# Altium PCB Thunderscope_Rev5.PCBDOC (part 3 of 7)
Units mm, origin at the board's own origin, x right, y up, seen from the top; angles counter-clockwise.
Board outline 119 x 103.6 mm, 6 copper layers (Top Layer, Int1 (GND), Int2 (Sign), Int3 (Sign), Int4 (GND), Bottom Layer), stack 1.49 mm thick; 745 components, 417 nets, 2478 pads, 1216 vias.
Unrouted connection lines stored in the file: 495.
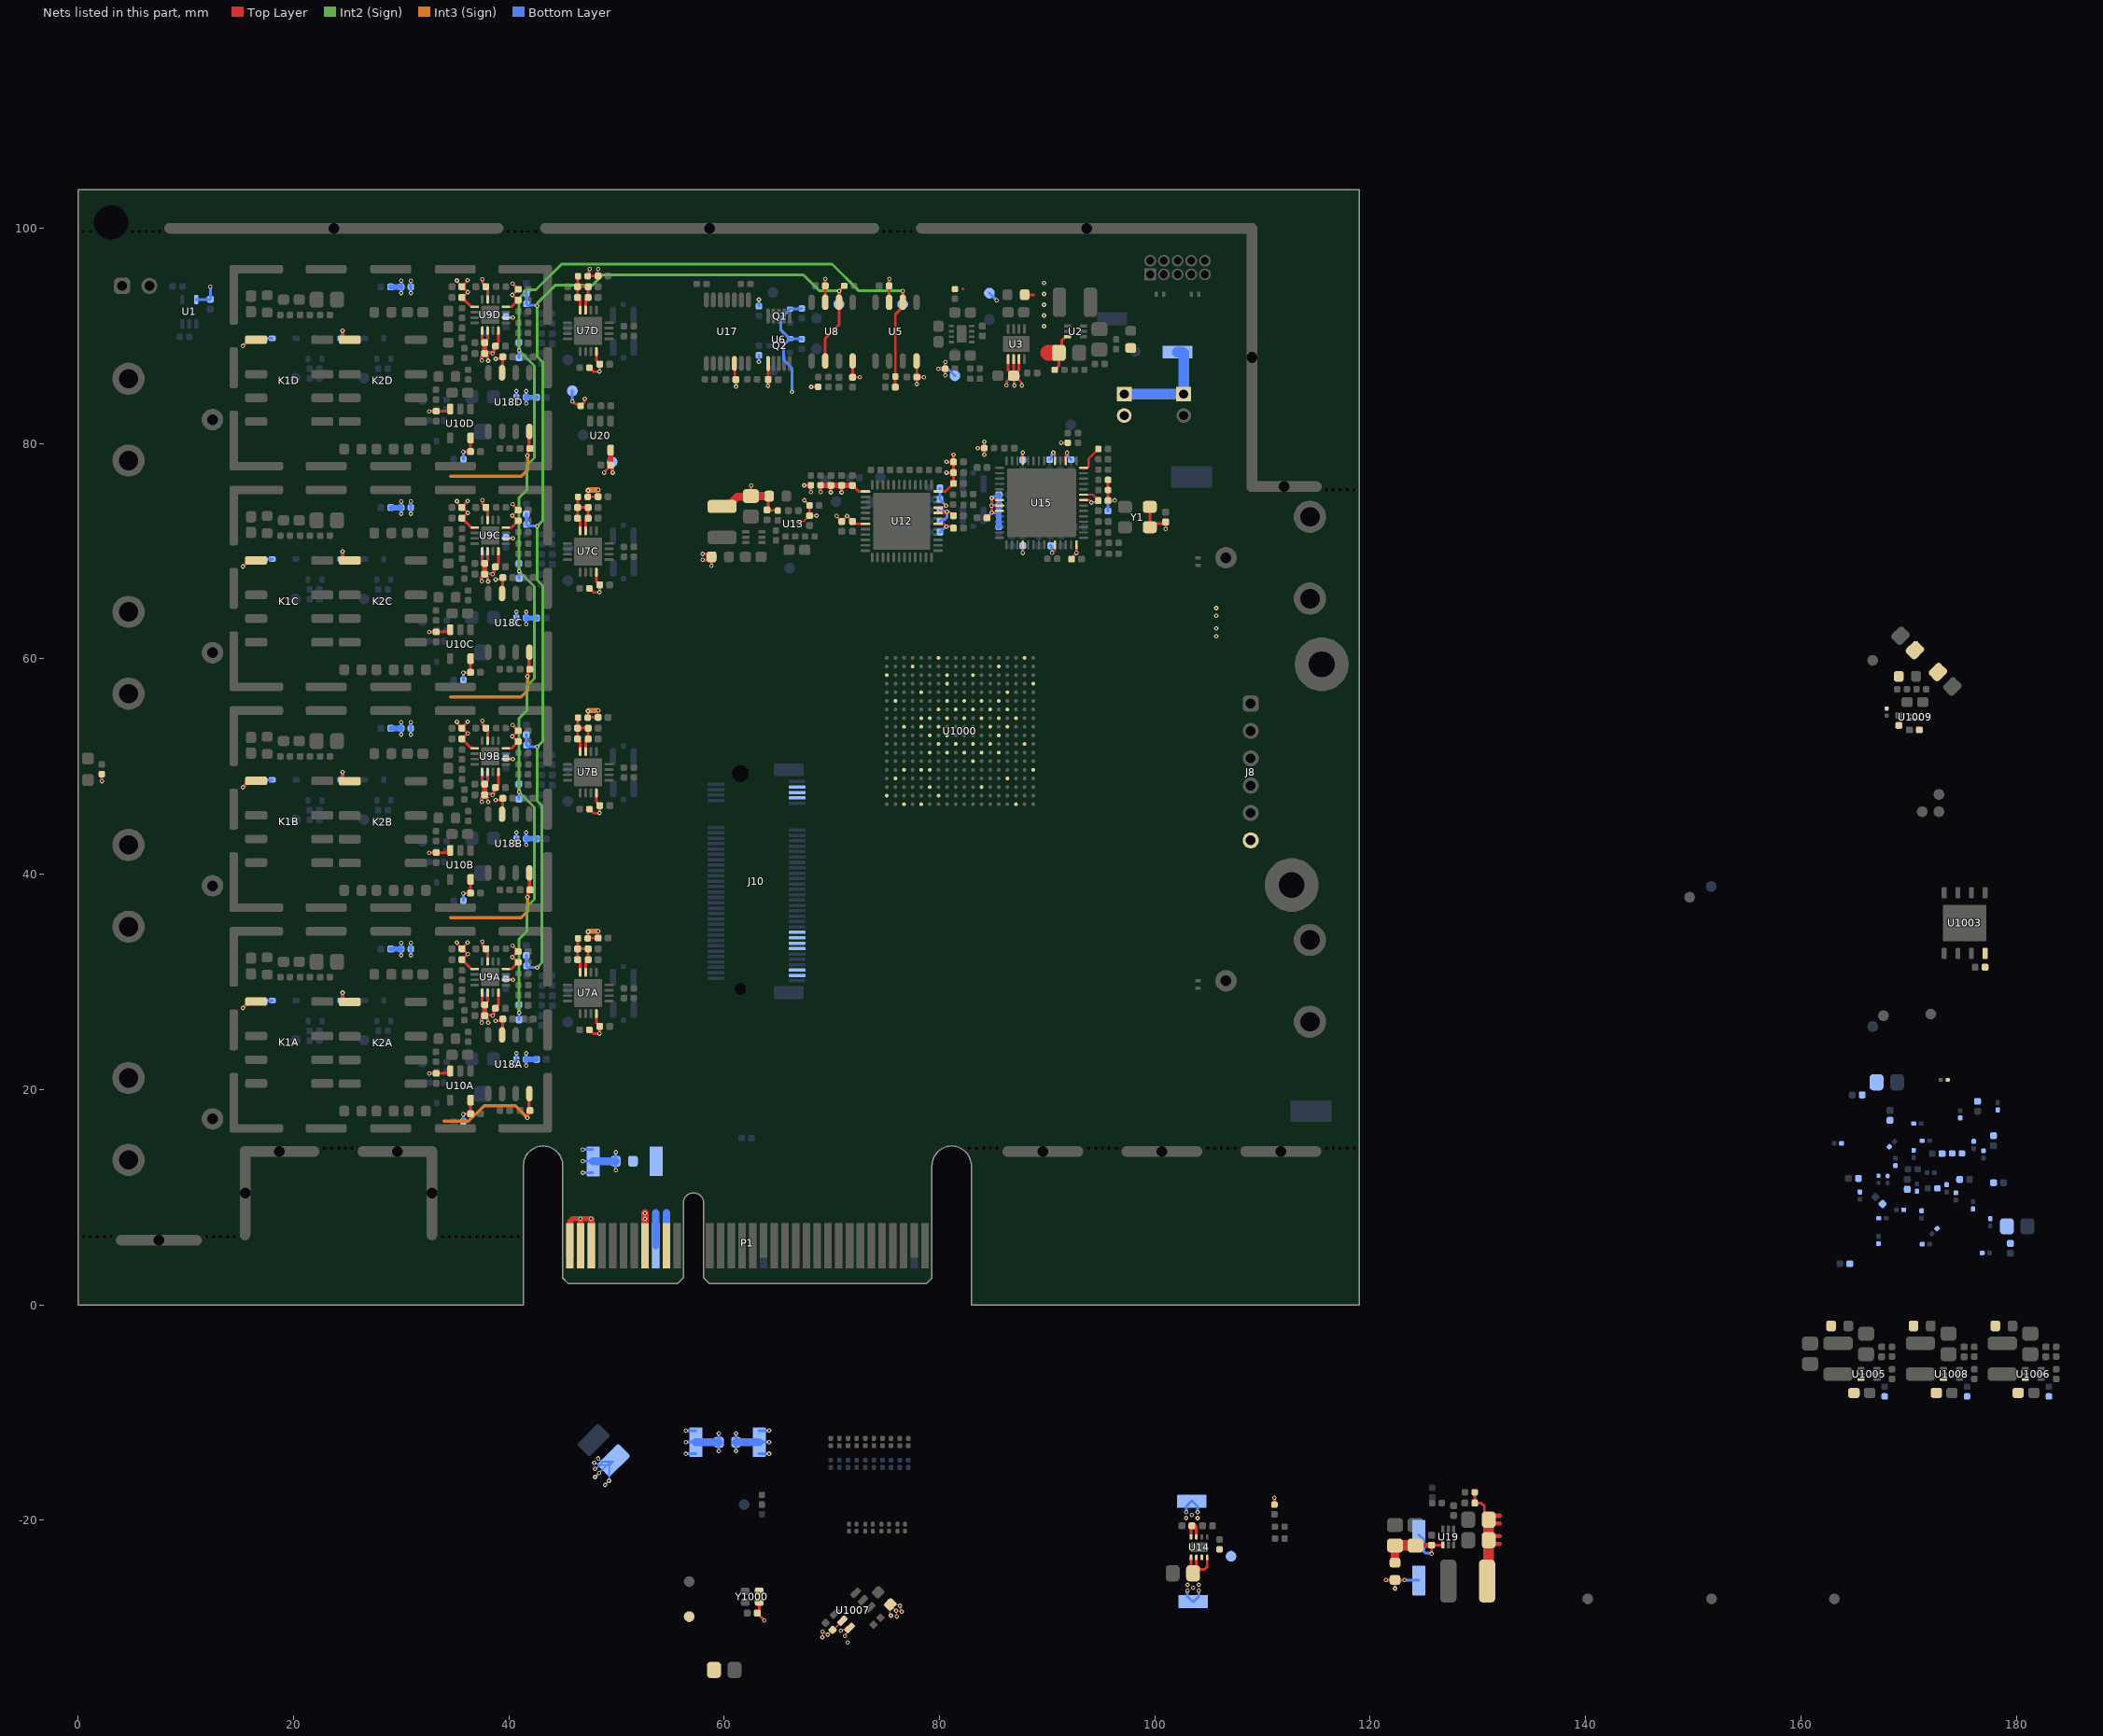
[diagram p7: the nets of this part, all layers, seen from the top]

## Part data (continued)
R12 R98A R98B R98C R98D R99A R99B R99C R99D R122A R122B R122C R122D: library part "RES 90.9K OHM 1% 1/16W 0402", Manufacturer=Yageo, Manufacturer Part Number=RC0402FR-0790K9L, Package=0402, Supplier Part Number 1=603-RC0402FR-0790K9L, Tolerance=1%, Supplier 1=Mouser
R13 R39 R55A R55B R55C R55D R61 R105 R1047 R1049 R1052 R1054 R1057 R1060 R1061: library part "RES 100K OHM 1% 1/10W 0402", House Part Number=R-100K-0402-1%-001, Manufacturer=Yageo, Manufacturer Part Number=RC0402FR-07100KL, Package=0402, Supplier Part Number 1=603-RC0402FR-07100KL, Tolerance=1%, Supplier 1=Mouser
R15 R17 R18 R19 R100A R100B R100C R100D: library part "RES 2K OHM 1% 1/16W 0402", Manufacturer=Yageo, Manufacturer Part Number=RC0402FR-072KL, Package=0402, Supplier Part Number 1=603-RC0402FR-072KL, Tolerance=1%, Supplier 1=Mouser
R26 R27 R28 R67 R92 R93 R94 R111 R118A R118B R118C R118D R119A R119B R119C R119D: library part "RES 1K OHM 1% 1/10W 0402", House Part Number=R-1K-0402-1%-001, Manufacturer=Yageo, Manufacturer Part Number=RC0402FR-071KL, Package=0402, Supplier Part Number 1=603-RC0402FR-071KL, Tolerance=1%, Supplier 1=Mouser
R29A R29B R29C R29D R53A R53B R53C R53D R54A R54B R54C R54D: library part "RES 30 OHM 1% 1/3W 0603", Manufacturer="KOA Speer", Manufacturer Part Number=SG73P1JTTD30R0F, Package=0603, Supplier Part Number 1=660-SG73P1JTTD30R0F, Tolerance=1%, Supplier 1=Mouser
R30A R30B R30C R30D R31A R31B R31C R31D R41A R41B R41C R41D R43A R43B R43C R43D: library part "RES 10 OHM 1% 1/3W 0603", Manufacturer="KOA Speer", Manufacturer Part Number=SG73P1JTTD10R0F, Package=0603, Supplier Part Number 1=660-SG73P1JTTD10R0F, Tolerance=1%, Supplier 1=Mouser
R35A R35B R35C R35D: library part "RES 20K OHM 1% 1/16W 0402", Manufacturer=Yageo, Manufacturer Part Number=RC0402FR-0720KL, Package=0402, Supplier Part Number 1=603-RC0402FR-0720KL, Tolerance=1%, Supplier 1=Mouser
R37: library part "RES 220K OHM 1% 1/16W 0402", Manufacturer=Yageo, Manufacturer Part Number=RC0402FR-07220KL, Package=0402, Supplier Part Number 1=603-RC0402FR-07220KL, Tolerance=1%, Supplier 1=Mouser
R57 R60 R62 R63 R64: library part "RES 100 OHM 1% 1/10W 0402", Manufacturer=Yageo, Manufacturer Part Number=RC0402FR-07100RL, Package=0402, Supplier Part Number 1=603-RC0402FR-07100RL, Tolerance=1%, Supplier 1=Mouser
R59: library part "RES 261K OHM 1% 1/16W 0402", Manufacturer=Yageo, Manufacturer Part Number=RC0402FR-07261KL, Package=0402, Supplier Part Number 1=603-RC0402FR-07261KL, Tolerance=1%, Supplier 1=Mouser
R65A R65B R65C R65D R96A R96B R96C R96D: library part "RES 909K OHM 1% 1/16W 0402", Manufacturer=Yageo, Manufacturer Part Number=RC0402FR-07909KL, Package=0402, Supplier Part Number 1=603-RC0402FR-07909KL, Tolerance=1%, Supplier 1=Mouser
R68 R69 R70 R71 R72 R73 R74 R75 R76 R77 R78 R79 R80 R81 R82 R83: library part "RES 0 OHM 1% 1/20W 0201", Manufacturer="Stackpole Electronics", Manufacturer Part Number=RMCF0201ZT0R00, Package=0201, Supplier Part Number 1=708-RMCF0201ZT0R00, Tolerance=1%, Supplier 1=Mouser
R84 R85: library part "RES 49.9 OHM 1% 1/10W 0402", Manufacturer=Yageo, Manufacturer Part Number=RC0402FR-0749R9L, Package=0402, Supplier Part Number 1=603-RC0402FR-0749R9L, Tolerance=1%, Supplier 1=Mouser
R113: library part "RES 57.6K OHM 1% 1/16W 0402", Manufacturer=Yageo, Manufacturer Part Number=RC0402FR-0757K6L, Package=0402, Supplier Part Number 1=603-RC0402FR-0757K6L, Tolerance=1%, Supplier 1=Mouser
R123A R123B R123C R123D: library part "RES DNP 0402", Package=0402, Tolerance=1%
R124A R124B R124C R124D: library part "TRIMMER 5K OHM 0.1W J LEAD TOP", Manufacturer=Bourns, Manufacturer Part Number=TC33X-2-502E, Supplier Part Number 1=652-TC33X-2-502E, Tolerance=1%, Supplier 1=Mouser
R1012 R1041: library part "RES 100 OHM 1% 1/20W 0201", House Part Number=R-100-0201-1%-001, Manufacturer=Yageo, Manufacturer Part Number=RC0201FR-07100RL, Package=0201, Supplier Part Number 1=603-RC0201FR-07100RL, Tolerance=1%, Supplier 1=Mouser
R1044 R1045: library part "RES 4.7K OHM 1% 1/20W 0201", House Part Number=R-4.7K-0201-1%-001, Manufacturer=Yageo, Manufacturer Part Number=RC0201FR-074K7L, Package=0201, Supplier Part Number 1=603-RC0201FR-074K7L, Tolerance=1%, Supplier 1=Mouser
R1048: library part "RES 66.5K OHM 1% 1/16W 0402", House Part Number=R-66.5K-0402-1%-001, Manufacturer=Yageo, Manufacturer Part Number=RC0402FR-0766K5L, Package=0402, Supplier Part Number 1=603-RC0402FR-0766K5L, Tolerance=1%, Supplier 1=Mouser
R1053: library part "RES 200K OHM 1% 1/16W 0402", House Part Number=R-200K-0402-1%-001, Manufacturer=Yageo, Manufacturer Part Number=RC0402FR-07200KL, Package=0402, Supplier Part Number 1=603-RC0402FR-07200KL, Tolerance=1%, Supplier 1=Mouser
R1058: library part "RES 124K OHM 1% 1/10W 0402", House Part Number=R-124K-0402-1%-001, Manufacturer=Yageo, Manufacturer Part Number=RC0402FR-07124KL, Package=0402, Supplier Part Number 1=603-RC0402FR-07124KL, Tolerance=1%, Supplier 1=Mouser
R1059: library part "RES 140K OHM 1% 1/10W 0402", House Part Number=R-140K-0402-1%-001, Manufacturer=Yageo, Manufacturer Part Number=RC0402FR-07140KL, Package=0402, Supplier Part Number 1=603-RC0402FR-07140KL, Tolerance=1%, Supplier 1=Mouser
SHLD3A SHLD3B SHLD3C SHLD3D: library part "SHIELD 2118728-2", Manufacturer="TE Connectivity", Supplier Part Number 1=571-2118728-2, Manufacturer Part Number=2118728-2, Supplier 1=Mouser
TP3 TP18 TP32 TP40 TP41 TP45 TP46 TP47 TP50 TP51: library part "TP KEYSTONE 5015", Manufacturer="Keystone Electronics", Supplier Part Number 1=534-5015, Manufacturer Part Number=5015, Supplier 1=Mouser
TP5 TP6: library part "TP KEYSTONE 5019", Manufacturer="Keystone Electronics", Supplier Part Number 1=534-5019, Manufacturer Part Number=5019, Supplier 1=Mouser
TP7 TP9 TP10 TP11 TP12 TP13 TP15 TP16 TP17 TP19 TP20 TP21 TP22A TP22B TP22C TP22D TP23A TP23B TP23C TP23D TP24A TP24B TP24C TP24D TP25A TP25B TP25C TP25D TP26A TP26B TP26C TP26D TP27 TP28 TP29 TP33 TP34 TP35 TP36 TP37 TP38 TP39 TP42 TP43 TP44 TP52 TP53 TP54 TP1003 TP1008 TP1009 TP1010 TP1011 TP1012: library part "TP PCB 1mm"
U1: library part "IC BUFFER SN74LVC1G17", Manufacturer="Texas Instruments", Manufacturer Part Number=SN74LVC1G17DBVR, Supplier 1="Texas Instruments", Supplier Part Number 1=SN74LVC1G17DBVR
U2: library part "IC BOOST TPS61023", Manufacturer="Texas Instruments", Manufacturer Part Number=TPS61023DRLT, Supplier 1="Texas Instruments", Supplier Part Number 1=TPS61023DRLT
U3: library part "IC LDO ADM7171ACPZ-5.0", Manufacturer="Analog Devices", Manufacturer Part Number=ADM7171ACPZ-5.0-R7, Supplier Part Number 1=584-ADM7171ACPZ5.0R7, Supplier 1=Mouser
U4: library part "IC CPUMP LM27761", Manufacturer="Texas Instruments", Manufacturer Part Number=LM27761DSGR, Supplier 1="Texas Instruments", Supplier Part Number 1=LM27761DSGR
U5 U18A U18B U18C U18D: library part "IC OPAMP OPA140", Manufacturer="Texas Instruments", Manufacturer Part Number=OPA140AIDR, Supplier 1="Texas Instruments", Supplier Part Number 1=OPA140AIDR
U6: library part "IC DAC QUAD MCP4728", Manufacturer=Microchip, Supplier Part Number 1=579-MCP4728A1T-E/UN, Manufacturer Part Number=MCP4728, Supplier 1=Mouser
U7A U7B U7C U7D: library part "IC PGA LMH6518", Manufacturer="Texas Instruments", Manufacturer Part Number=LMH6518SQE/NOPB, Supplier Part Number 1=LMH6518SQX/NOPB, Supplier 1="Texas Instruments"
U8: library part "IC OPAMP OP07CDR", Manufacturer="Texas Instruments", Manufacturer Part Number=OP07CDR, Supplier 1="Texas Instruments", Supplier Part Number 1=OP07CDR
U9A U9B U9C U9D: library part "IC BUFFER AMP BUF802", Manufacturer="Texas Instruments", Manufacturer Part Number=BUF802IRGTR, Supplier 1="Texas Instruments", Supplier Part Number 1=BUF802IRGTR
U10A U10B U10C U10D: library part "IC SWITCH SPST TS12A4516DBVR", Manufacturer="Texas Instruments", Manufacturer Part Number=TS12A4516DBVR, Supplier 1="Texas Instruments", Supplier Part Number 1=TS12A4516DBVR
U11 U1006 U1008: library part "IC BUCK TPS62A01", House Part Number=TPS62A01DRLR, Manufacturer="Texas Instruments", Manufacturer Part Number=TPS62A01DRLR, Supplier 1="Texas Instruments", Supplier Part Number 1=TPS62A01DRLR
U12: library part "IC ADC HMCAD1520", Manufacturer="Analog Devices", Supplier Part Number 1=584-HMCAD1520, Manufacturer Part Number=HMCAD1520, Supplier 1=Mouser
U13 U1009: library part "IC LDO LD57100JR", Manufacturer=STMicroelectronics, Supplier Part Number 1=511-LD57100JR, House Part Number=LD57100JR, Manufacturer Part Number=LD57100JR, Supplier 1=Mouser
U14: library part "IC SWITCH LOAD TPS22975", Manufacturer="Texas Instruments", Manufacturer Part Number=TPS22975DSGR, Supplier 1="Texas Instruments", Supplier Part Number 1=TPS22975DSGR
U15: library part "IC CLK GEN ZL30260LDG1", Manufacturer=Microchip, Supplier Part Number 1=494-ZL30260LDG1, Manufacturer Part Number=ZL30260LDG1, Supplier 1=Mouser
U17: library part "IC DIGIPOT QUAD MCP4432T-503E", Manufacturer=Microchip, Manufacturer Part Number=MCP4432T-503E/ST, Supplier Part Number 1=579-MCP4432-503E/ST, Supplier 1=Mouser
U19: library part "IC BUCK TPS562202", Supplier Part Number 1=TPS562202DRLR, Supplier 1="Texas Instruments"
U20: library part "IC LDO TPS7A2033", Manufacturer="Texas Instruments", Manufacturer Part Number=TPS7A2033PDBVR, Supplier 1="Texas Instruments", Supplier Part Number 1=TPS7A2033PDBVR
U1000: "Artix-7 FPGA, 150 User I/Os, 4 GTP, 324-Ball BGA, Speed Grade 2, Commercial Grade, Pb-Free", House Part Number=XC7A50T-2CSG325C, Manufacturer=Xilinx, Supplier Part Number 1=122-2193-ND, Manufacturer Part Number=XC7A50T-2CSG325C, Supplier 1=Digi-Key
U1003: library part "IC FLASH MX25U6432FZNI02", Manufacturer=Macronix, Supplier Part Number 1=1092-MX25U6432FZNI02-ND, House Part Number=MX25U6432FZNI02, Manufacturer Part Number=MX25U6432FZNI02, Supplier 1=Digi-Key
U1005: library part "IC BUCK TPS62A02", House Part Number=TPS62A02DRLR, Manufacturer="Texas Instruments", Manufacturer Part Number=TPS62A02DRLR, Supplier 1="Texas Instruments", Supplier Part Number 1=TPS62A02DRLR
U1007: library part "IC SWITCH LOAD SIP32508", Manufacturer="Vishay Siliconix", Manufacturer Part Number=SIP32508DT-T1-GE3, Supplier Part Number 1=78-SIP32508DT-T1-GE3, House Part Number=SIP32508, Supplier 1=Mouser
Y1: library part "OSC 10MHz ECS-TXO-3225MV", Manufacturer="ECS International", Manufacturer Part Number=ECS-TXO-3225MV-100-TR, Supplier Part Number 1=520-TXO-3225MV-100-T, Supplier 1=Mouser
Y1000: library part "OSC 25MHz ECS-TXO-2016", House Part Number=ECS-TXO-2016-33-250-TR, Manufacturer="ECS International", Supplier Part Number 1=520-TXO-2016-33-250T, Manufacturer Part Number=ECS-TXO-2016-33-250-TR, Supplier 1=Mouser

## Free pads (board coordinates)
  round 0.38 hole 0.38 unplated mask+0: 1(0.5,6.3) 1(0.5,99.7) 1(1.14,6.3) 1(1.14,99.7) 1(1.78,6.3) 1(2.42,6.3) 1(3.06,6.3) 1(5.025,99.7) 1(5.665,99.7) 1(6.305,99.7) 1(6.945,99.7) 1(7.585,99.7) 1(11.94,6.3) 1(12.58,6.3) 1(13.22,6.3) 1(13.86,6.3) 1(14.5,6.3) 1(22.895,14.55) 1(23.535,14.55) 1(24.175,14.55) 1(24.815,14.55) 1(25.455,14.55) 1(33.81,6.3) 1(34.45,6.3) 1(35.09,6.3) 1(35.73,6.3) 1(36.37,6.3) 1(37.01,6.3) 1(37.65,6.3) 1(38.29,6.3) 1(38.93,6.3) 1(39.57,6.3) 1(39.925,99.7) 1(40.21,6.3) 1(40.565,99.7) 1(40.85,6.3) 1(41.205,99.7) 1(41.845,99.7) 1(42.485,99.7) 1(74.825,99.7) 1(75.465,99.7) 1(76.105,99.7) 1(76.745,99.7) 1(77.385,99.7) 1(82.795,14.55) 1(83.435,14.55) 1(84.075,14.55) 1(84.715,14.55) 1(85.355,14.55) 1(93.845,14.55) 1(94.485,14.55) 1(95.125,14.55) 1(95.765,14.55) 1(96.405,14.55) 1(104.895,14.55) 1(105.535,14.55) 1(106.175,14.55) 1(106.815,14.55) 1(107.455,14.55) 1(115.925,75.7) 1(115.94,14.55) 1(116.565,75.7) 1(116.58,14.55) 1(117.205,75.7) 1(117.22,14.55) 1(117.845,75.7) 1(117.86,14.55) 1(118.485,75.7) 1(118.5,14.55)
  oval 8x1 hole 1 slot 8 at 0 deg unplated: 1(7.5,6)
  oval 1x8.75 hole 1 slot 8.75 at 90 deg unplated: 1(15.5,10.375) 1(32.85,10.375)
  oval 7.4x1 hole 1 slot 7.4 at 0 deg unplated: 1(18.7,14.25) 1(29.65,14.25)
  oval 31.5x1 hole 1 slot 31.5 at 0 deg unplated: 1(23.75,100) 1(58.65,100)
  oval 7.5x1 hole 1 slot 7.5 at 0 deg unplated: 1(89.6,14.25) 1(100.65,14.25) 1(111.7,14.25)
  oval 31.7x1 hole 1 slot 31.7 at 0 deg unplated: 1(93.65,100)
  oval 1x25 hole 1 slot 25 at 90 deg unplated: 1(109,88)
  oval 7x1 hole 1 slot 7 at 0 deg unplated: 1(112,76)
  round 2.88 hole 3.18 unplated: MH1(3.05,100.55)
  round 5 hole 2.4: MH5(115.5,59.5) MH6(112.7,39)

## Via types
v1: diameter 0.406, hole 0.203, Top Layer to Bottom Layer, tented both sides, 1216 vias

## Nets (pads, with @x,y where several pads share a name; then routed paths per layer and width w, separated by ;. In a path a pad name is that pad's centre, name@x,y a point inside that pad or via, vN(x,y) a via of type N, cw(c..) or ccw(c..) an arc to the next point about the centre after c; other vN are vias at no path point)
1V0: C1050.2 C1051.2 C1052.2 C1053.2 C1054.2 C1055.2 C1056.2 C1057.2 FB1002.1 R1046.2 U1000.F7 U1000.F9 U1000.F11 U1000.G8 U1000.G10 U1000.H7 U1000.H9 U1000.H11 U1000.J8 U1000.J12 U1000.K7 U1000.K11 U1000.L8 U1000.L12 U1000.M7 U1000.M11 U1000.N8 U1000.N10 U1000.N12 U1000.P9 U1000.P11 | length 9.7
  Bottom Layer w0.127: v1(47.925,-14.675) 47.978,-14.728 48.188,-14.728 48.323,-14.864 C1057.2@48.44,-14.864 ; v1(48.008,-15.985) v1(48.386,-15.608) C1057.2@49.129,-14.864 ; v1(48.01,-15.218) 48.086,-15.218 C1057.2@48.44,-14.864 ; v1(48.283,-14.258) 48.617,-14.592 C1057.2@48.712,-14.592 ; v1(48.933,-16.718) 48.933,-16.706 49.298,-16.341 v1(49.298,-16.329) 49.314,-16.313 49.314,-14.935 C1057.2@49.385,-14.864 ; C1057.2@48.44,-14.864 C1057.2@49.129,-14.864 ; C1057.2@48.44,-14.864 C1057.2@48.712,-14.592 ; C1057.2@48.712,-14.592 C1057.2@49.402,-14.592 ; C1057.2@48.712,-14.592 48.792,-14.512 C1057.2@49.481,-14.512 ; C1057.2@49.129,-14.864 C1057.2@49.385,-14.864 ; C1057.2@49.129,-14.864 C1057.2@49.402,-14.592 ; C1057.2@49.385,-14.864 C1057.2@49.657,-14.592 ; C1057.2@49.402,-14.592 C1057.2@49.657,-14.592 ; C1057.2@49.402,-14.592 C1057.2@49.481,-14.512 ; C1057.2@49.481,-14.512 49.737,-14.512 C1057.2@49.657,-14.592
1V0_MGT: C1068.2 C1069.2 C1070.2 FB1002.2 U1000.B4 U1000.C5 U1000.E5 U1000.F5
1V2_MGT: C1065.2 C1066.2 C1067.2 R1041.1 R1056.2 U1000.A2 U1000.C1 U1000.E1 U1000.F3 U1000.G2
1V8: C1028.1 C1049.2 C1058.2 C1059.2 C1060.2 C1061.2 C1062.2 C1063.2 FB1001.2 J8.6 R1044.2 R1045.2 R1050.2 U1000.E10 U1000.E11 U1000.G12 U1000.H13 U1000.K13 U1000.M13 U1000.P13 U1000.R10 U1000.R12 U1003.8
1V35: C1036.2 C1037.2 C1038.2 C1039.2 C1040.2 C1041.2 C1042.2 C1043.2 C1044.2 C1045.2 C1046.2 C1047.2 C1048.2 C1084.2 R1055.2 U1000.A16 U1000.B13 U1000.C10 U1000.D17 U1000.E14 U1000.G18 U1000.H15 U1000.L16 U1000.P17 U1000.R14 U1000.T11 U1000.U8 U1000.U18 U1000.V15 U1009.A2 U1009.B2
2V5: R1012.2
3.3Vaux: P1.B10
+1V8A: C41.2 C42.2 C43.2 C44.2 C45.2 C46.2 C54.2 C55.2 C56.2 FB1.2 U12.1 U12.32 U12.36 | length 15.7
  Top Layer w0.254: v1(68.95,75.495) FB1.2@68.95,76.125 FB1.2@68.954,76.121 ; v1(69.9,75.466) 69.904,75.47 69.904,76.113 C42.2@69.907,76.117 C42.2@69.903,76.121 ; v1(70.9,75.466) 70.904,75.47 70.904,76.113 C44.2@70.907,76.117 ; C46.2@71.907,76.117 72.474,75.55 U12.1@73.118,75.55 ; U12.32@79.868,73.55 79.87,73.552 80.521,73.552 80.644,73.675 v1@80.675,73.675 ; U12.36@79.868,75.55 79.87,75.552 80.549,75.552 C45.2@81.297,76.3 C43.2@81.297,77.3 ; v1(80.647,77.3) C43.2@81.297,77.3 ; v1(80.647,78.3) C41.2@81.297,78.3 ; v1(80.685,73.675) v1@80.675,73.675 ; C56.2@81.297,73.3 81.279,73.3 80.933,73.646 80.704,73.646 v1@80.675,73.675 ; v1(81.3,78.95) 81.299,78.949 81.299,78.301 C41.2@81.297,78.3 ; C43.2@81.297,77.3 C41.2@81.297,78.3
  Top Layer w0.5: FB1.2@68.954,76.121 C42.2@69.903,76.121 ; C42.2@69.907,76.117 C44.2@70.907,76.117 C46.2@71.907,76.117
  Bottom Layer w0.254: C55.2@80.035,72.775 80.191,72.931 80.456,72.931 80.685,73.16 v1(80.685,73.675) 80.656,73.704 80.106,73.704 C54.2@80.035,73.775
+1V8APLL: C82.1 C83.1 C84.1 C85.1 C86.1 C87.1 C89.1 C114.1 C115.1 C116.1 FB3.2 U15.4 U15.10 U15.14 U15.31 U15.33 U15.39 U15.49 U15.50 U15.51 Y1.1 Y1.4 | length 23.1
  Top Layer w0.2: v1(84.82,74.25) U15.50@85.575,74.25 ; v1(84.85,73.575) 84.889,73.614 85.114,73.614 85.25,73.75 U15.51@85.575,73.75 ; v1(84.85,74.95) 84.889,74.911 85.089,74.911 85.25,74.75 U15.49@85.575,74.75 ; v1(87.725,69.845) U15.4@87.725,70.6 ; U15.39@87.725,78.4 v1(87.725,79.155) ; v1(90.475,69.85) 90.725,70.1 U15.10@90.725,70.6 ; v1(90.575,79.15) 90.575,79.094 90.725,78.944 U15.33@90.725,78.4 ; U15.31@91.725,78.4 91.725,78.969 91.85,79.094 v1(91.85,79.15) ; C86.1@92.265,69.275 92.448,69.458 92.448,69.587 92.705,69.845 v1(92.725,69.845) U15.14@92.725,70.6
  Top Layer w0.254: C114.1@84.41,72.95 84.583,73.123 84.583,73.308 v1(84.85,73.575) 84.835,73.59 84.835,74.235 v1(84.82,74.25) 84.835,74.265 84.835,74.935 v1(84.85,74.95) ; Y1.1@99.525,74.125 Y1.4@99.525,72.225 99.85,72.55 100.835,72.55 C116.1@101,72.715 v1(101,72.075)
  Bottom Layer w0.254: v1(84.82,74.25) 85.507,74.25 C115.1@85.515,74.25 ; v1(84.85,73.575) 85.475,73.575 85.507,73.543 ; v1(84.85,74.95) 84.891,74.95 85.019,75.077 85.342,75.077 85.507,75.242 C82.1@85.515,75.25 ; 85.507,73.257 85.515,73.25 ; v1(87.725,69.845) C89.1@87.725,70.515 ; C83.1@87.725,78.485 v1(87.725,79.155) ; C84.1@90.225,78.51 90.398,78.683 90.398,78.931 90.575,79.109 v1(90.575,79.15) ; C87.1@90.325,70.515 90.446,70.394 90.446,69.879 v1(90.475,69.85) ; v1(91.85,79.15) 91.879,79.121 91.879,78.874 92.225,78.528 C85.1@92.225,78.51
  Bottom Layer w0.5: FB3.2@85.5,72.275 85.507,72.282 85.507,73.257 85.507,74.25 C82.1@85.507,75.242
+1V8D: C47.2 C48.2 C49.2 C50.2 FB2.2 U12.7 U12.30 | length 7.3
  Top Layer w0.25: v1(67.42,76.125) FB2.2@68.05,76.125 v1(68.05,75.495) ; C47.2@71.87,72.605 72.061,72.605 72.098,72.568 72.098,72.55 U12.7@73.118,72.55 ; C47.2@71.925,72.76 C47.2@72.098,72.587 ; U12.30@79.868,72.55 80.397,72.55 v1(80.647,72.3) C48.2@81.297,72.3
  Top Layer w0.254: v1(70.427,73.275) 70.427,73.267 C50.2@70.925,72.768 ; C50.2@70.925,72.76 C50.2@70.925,72.768 ; v1@71.41,73.281 71.925,72.766 C47.2@71.925,72.76 ; v1(71.41,73.287) 71.118,72.994 71.118,72.971 70.925,72.778 C50.2@70.925,72.768
  Bottom Layer w0.25: C49.2@80.035,71.775 80.054,71.775 80.549,72.27 80.617,72.27 v1(80.647,72.3)
+1V92: C51.2 C53.2 L2.2 R37.2 R58.1 TP38.1 | length 9.3
  Top Layer w0.254: C53.2@62.475,75.125 62.5,75.15 v1(62.5,76.105) ; R58.1@64.175,75.125 64.075,75.025 64.075,73.935 C51.2@63.975,73.835 64.005,73.805 64.945,73.805 R37.2@64.975,73.775
  Top Layer w0.75: L2.2@59.8,74.16 60.545,74.16 60.785,74.4 60.785,74.636 61.224,75.075 62.425,75.075 C53.2@62.475,75.125 R58.1@64.175,75.125
  Bottom Layer w0.254: TP38.1@62.475,75.125 62.488,75.138 62.488,76.093 v1(62.5,76.105)
+3V3: C1.1 C57.2 C58.2 C61.2 C92.2 D2A.1 D2B.1 D2C.1 D2D.1 D3A.1 D3B.1 D3C.1 D3D.1 FB5.1 K1A.1 K1B.1 K1C.1 K1D.1 K2A.1 K2B.1 K2C.1 K2D.1 Q1.2 Q2.2 R20.2 R21.2 R36.1 R42.2 R44.2 R67.2 R89.2 R90.2 R91.2 R93.1 R94.1 R110.1 R111.1 TP28.1 TP47.1 U1.5 U12.33 U13.C2 U14.7 U14.8 | length 65.8
  Top Layer w0.127: U13.C2@66.825,72.75 67.365,72.75 C61.2@67.925,73.31
  Top Layer w0.254: v1(2.2,48.65) R67.2@2.2,49.3 ; v1(15.3,89.075) 15.313,89.075 15.887,89.65 K1D.1@16.53,89.65 ; v1@15.313,27.575 K1A.1@15.887,28.15 ; v1@15.313,48.075 K1B.1@15.887,48.65 ; v1@15.313,68.575 K1C.1@15.887,69.15 ; v1(24.55,29) 24.55,28.417 24.692,28.275 K2A.1@25.23,28.275 ; v1(24.55,49.5) 24.55,48.917 24.692,48.775 K2B.1@25.23,48.775 ; v1(24.55,70) 24.55,69.417 24.692,69.275 K2C.1@25.23,69.275 ; v1(24.55,90.5) 24.55,89.917 24.692,89.775 K2D.1@25.23,89.775 ; v1(58,69.2) 58.55,69.2 R36.1@58.825,69.475 ; v1(58,69.75) 58.55,69.75 R36.1@58.825,69.475 ; v1(58.825,68.645) R36.1@58.825,69.475 ; v1(67.435,74.74) R42.2@67.925,74.25 C61.2@67.925,73.31 ; C61.2@67.93,73.305 v1@68.57,73.305 ; U12.33@79.868,74.05 79.87,74.052 80.382,74.052 80.57,74.24 v1(80.607,74.24) ; v1(83.55,79.575) FB5.1@84.15,79.575 ; v1(84.15,78.975) FB5.1@84.15,79.575 ; v1(84.15,80.175) FB5.1@84.15,79.575 ; v1(91.275,80.075) R89.2@91.879,80.075 ; R94.1@95.625,74.721 95.629,74.725 R94.1@95.65,74.725 ; R90.2@95.625,75.671 95.65,75.696 R91.2@95.65,76.625 ; R90.2@95.65,75.675 R94.1@95.65,74.725 ; v1@96.272,74.725 R94.1@95.65,74.725 ; U14.8@103.35,-21.55 103.352,-21.548 103.352,-20.608 C92.2@103.435,-20.525 103.608,-20.698 C92.2@103.681,-20.698 ; C92.2@103.6,-20.35 103.85,-20.6 U14.7@103.85,-21.55 ; R110.1@111.1,-18.55 v1(111.1,-17.9)